# KiCad board panel.kicad_pcb (continued)
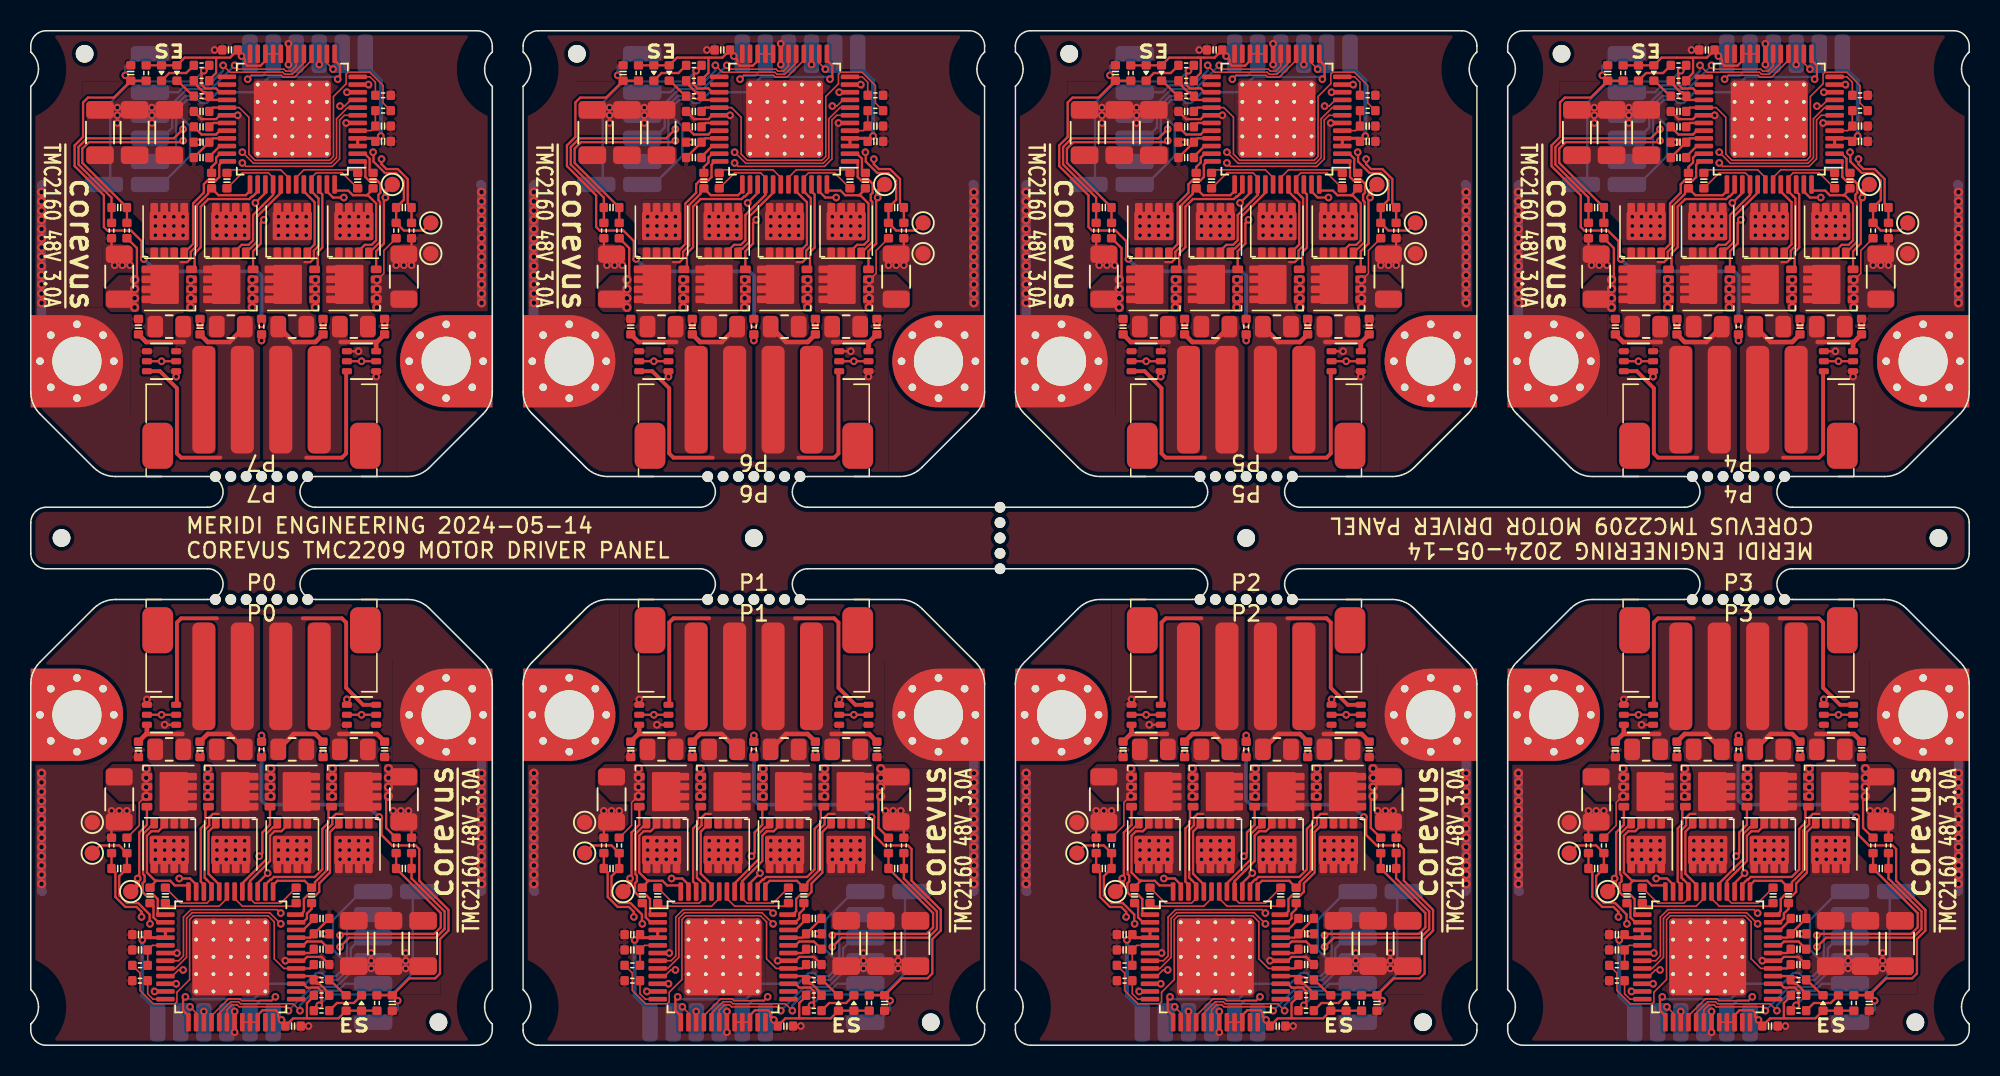
[diagram p0: board, top side]
## Routing (per net, layer and track width the routed paths; a pad name or vN(x,y) marks a point on that pad's centre or on a via; arc(x,y) is an arc through that point) (continued)
Board_2-/LB1: length 10.5
  Top w0.15: v1(70.95,10.85) 71.05,10.95 71.05,13.84 71.55,14.34 Q2#6.4 ; U1#3.47 74.75,10.45 74.35,10.85 v1(73.65,10.85)
  Top w0.3: TP3#2.1 70.95,10.45 v1(70.95,10.85)
  In2.Cu w0.15: v1(73.65,10.85) v1(70.95,10.85) 70.95,10.7
Board_2-/LB2: length 5.8
  Top w0.15: Q4.4 75.35,15.32 75.35,14.41 75.05,14.11 75.05,10.65 75.25,10.45 U1#3.46
Board_2-/SCK: length 2.3
  Top w0.1: v1(74.35,2.5) 74.75,2.1 U1#3.14
  Bottom w0.5: 73.8,2.5 v1(74.35,2.5) 73.95,2.1
Board_2-/SDI: length 0.7
  Top w0.15: U1#3.15 v1(75.25,2.2)
Board_2-/SDO: length 8
  Top w0.1: U1#3.16 75.75,1.92 76.85,3.02 77.59,3.02 77.72,2.9 79.65,2.9 v1(79.9,3.15)
  Bottom w0.15: v1(79.9,3.15) 79.68,2.92 78.93,2.92 78.25,2.25 T7#8.1
Board_2-/SRAH: length 27.9
  Top w0.1: v1(80.25,7.9) 79.53,8.62 74.49,8.62 74.12,8.26 74.12,5.72 73.4,5 U1#3.8
  Top w0.15: R11#2.2 C21#3.2 90.65,8.6 90.65,7.67 90.23,7.25 84.2,7.25 v1(84.1,7.15)
  In2.Cu w0.15: v1(84.1,7.15) 84.1,7.43 83.63,7.9 v1(80.25,7.9)
Board_2-/SRAL: length 29.5
  Top w0.1: U1#3.7 73.62,5.5 73.93,5.81 73.93,8.34 74.41,8.82 80.03,8.82 v1(80.25,8.6)
  Top w0.15: R12#2.2 C21#3.1 88.75,10.85 90.9,8.7 90.9,7.56 90.34,7 84.7,7 v1(84.1,6.4)
  In2.Cu w0.15: v1(80.25,8.6) 80.7,8.15 83.74,8.15 84.55,7.34 84.55,6.85 v1(84.1,6.4)
Board_2-/SRBH: length 14.4
  Top w0.1: U1#3.9 73.2,4.5 73.6,4.9 v1(73.9,4.9)
  Top w0.15: TP4#8.1 68.5,13 69.75,13 R8#8.2 C20#3.2 69.75,11 69.75,9.75 70.25,9.25 70.98,9.25 71.72,8.51 71.72,7.92 v1(71.75,7.9)
  In2.Cu w0.1: v1(71.75,7.9) 71.75,7.58 73.05,6.28 73.05,4.98 73.13,4.9 v1(73.9,4.9)
Board_2-/SRBL: length 11.4
  Top w0.1: v1(73.45,4) U1#3.10
  Top w0.15: v1(71.2,8.35) 71.2,8.68 70.88,9 70.15,9 69.5,9.65 69.5,11.25 C20#3.1 R9#6.2
  In2.Cu w0.1: v1(71.2,8.35) 71.2,7.85 72.85,6.2 72.85,4.9 73.45,4.3 v1(73.45,4)
Board_2-/Step: length 12.1
  Top w0.1: U1#3.17 76.25,2.08 76.99,2.82 77.51,2.82 77.63,2.7 81.05,2.7 v1(81.5,2.25)
  Bottom w0.15: T11#8.1 84.42,4 83.97,3.55 82.45,3.55 81.5,2.6 v1(81.5,2.25)
Board_2-/THERM: length 32.5
  Top w0.15: v1(87.85,2.9) C13#3.1 ; C13#3.1 88.6,4.35 90.28,4.35 90.6,4.67 90.6,6.91 91.15,7.46 91.15,8.81 89.25,10.71 89.25,12.77 89.02,13 87.48,13 86.8,13.68 86.8,14.7 v1(86.65,14.85) ; C13#3.1 R20#2.1
  Top w0.25: TH1#8.1 v1(79,19.1)
  Bottom w0.15: v1(87.85,2.9) 87.85,2.35 87,1.5 T9#7.1
  Bottom w0.25: v1(86.65,14.85) 85.85,15.65 79.3,15.65 79,15.95 v1(79,19.1)
Board_2-/~{CS}: length 19.8
  Top w0.15: v1(74.05,3.15) 73.9,3 73.9,2.26 74.16,2 74.25,2
  Bottom w0.15: T10#8.1 85.5,10 83.65,8.15 83.65,6.21 84.3,5.56 84.3,4.94 83.86,4.5 83.14,4.5 82.94,4.7 82.56,4.7 81.86,4 79.11,4 78.75,3.64 78.75,3.24 78.51,3 74.2,3 v1(74.05,3.15)
Board_2-/~{En}: length 10.3
  Top w0.15: R2#4.2 83.2,3.45 83.2,3.57 82.77,4 82.65,4 R1#6.2 v1(82.75,4.25) 82.5,4.5 U1#3.28
  Bottom w0.15: T14#5.1 85.45,8.5 84.55,7.6 84.55,4.84 83.96,4.25 v1(82.75,4.25)
Board_2-GND: length 30.1
  Top w0.1: U1#3.6 v1(73.5,6) ; C7#5.2 v1(83.05,7.25)
  Top w0.15: D3#8.4 v1(72.7,20.85) ; 88.75,13.52 88.75,14.04 R13#2.2 87.75,14.04 ; R10#3.2 69.25,14.04 R9#6.1 ; U1#3.19 v1(77.25,2.2) ; D4.1 v1(84.55,22.5) ; 83.38,5.25 C5#3.1 82.9,5.75 81.96,5.75 81.71,5.5 U1#3.30 v1(80.55,5.5) ; D3#8.1 v1(71.55,22.5) ; C3#6.1 v1(82.05,1.25)
  Top w0.2: U1#3.11 v1(72.05,3.5)
  Top w0.25: TH1#8.2 v1(79,20.15)
  Top w0.3: C19#6.1 v1(71,19.1) ; C18#7.1 v1(75,19.1) ; C17#4.1 v1(83,19.1)
  Bottom w0.6: 64.75,10 64.7,10.05 v2(64.7,10.5) v2(64.7,11.1) v2(64.7,17.7) ; H2#6.1 93.3,19.2 v2(93.3,17.7) v2(93.3,11.1) v2(93.3,10.5) 93.3,10.05 93.25,10
  vias: v1(69.25,15.25) v1(69.75,15.25) v1(70.25,15.25) v1(77.25,0.85) v1(86.12,6) v1(86.12,5.5) v1(86.12,5) v1(87.55,15.25) v1(88.05,15.25) v1(88.38,6) v1(88.38,5.5) v1(88.38,5) v1(88.55,15.25) v2(64.7,17.1) v2(64.7,16.5) v2(64.7,15.9) v2(64.7,15.3) v2(64.7,14.7) v2(64.7,14.1) v2(64.7,13.5) v2(64.7,12.9) v2(64.7,12.3) v2(64.7,11.7) v2(93.3,17.1) v2(93.3,16.5) v2(93.3,15.9) v2(93.3,15.3) v2(93.3,14.7) v2(93.3,14.1) v2(93.3,13.5) v2(93.3,12.9) v2(93.3,12.3) v2(93.3,11.7)
Board_2-Net-(D1-K): length 1.5
  Top w0.15: 84.45,3.25 83.45,4.25 R1#6.1
Board_2-Net-(D2-K): length 2.5
  Top w0.15: R16#3.1 83.9,2.75 85,2.75 D2#2.1
Board_2-Net-(Q2-S-Pad1): length 3.3
  Top w0.1: R8#8.1 71.05,14.3 71.05,15.78 71.44,16.17 Q2#6.3
  vias: v2(71.5,18) v2(71.5,17.4) v2(71.5,16.8) v2(71.5,16.2) v2(75.5,18) v2(75.5,17.4) v2(75.5,16.8) v2(75.5,16.2)
Board_2-Net-(Q6-S-Pad1): length 3
  Top w0.15: v2(87.25,16.2) 87.1,16.05 87.1,14.14 87.74,13.5
  vias: v2(79.6,18) v2(79.6,17.4) v2(79.6,16.8) v2(79.6,16.2) v2(83.6,18) v2(83.6,17.4) v2(83.6,16.8) v2(83.6,16.2) v2(87.25,18) v2(87.25,17.4) v2(87.25,16.8)
Board_2-Net-(U1-5VOUT): length 2.3
  Top w0.1: R4#3.1 C4#2.2 71.9,6.5 U1#3.5
Board_2-Net-(U1-CA1): length 4.7
  Top w0.1: U1#3.42 77.25,9.55 77.75,9.05 81.05,9.05 C10#8.1
Board_2-Net-(U1-CA2): length 1.9
  Top w0.15: C11#4.1 82.25,8.87 81.95,8.57 81.95,8.25 81.7,8 U1#3.35
Board_2-Net-(U1-CB1): length 1.9
  Top w0.15: C8#2.1 71.97,9.02 71.97,8.32 72.3,8 U1#3.2
Board_2-Net-(U1-CB2): length 4.7
  Top w0.1: C9#8.1 72.95,9.05 76.25,9.05 76.75,9.55 U1#3.43
Board_2-Net-(U1-CPI): length 2.5
  Top w0.15: C2#4.2 82.9,6.75 81.96,6.75 81.71,6.5 U1#3.32
Board_2-Net-(U1-CPO): length 1.3
  Top w0.15: C2#4.1 82.15,6 U1#3.31
Board_2-Net-(U1-VCC): length 21.4
  Top w0.1: U1#3.29 80.45,5 79.82,5.62 79.82,8.03 79.43,8.42 74.57,8.42 74.32,8.18 74.32,4.27 73.5,3.45 73.5,2.83 73.37,2.7 71.97,2.7 71.1,3.57 71.1,4.7 R4#3.2
  Top w0.15: U1#3.29 82.15,5 C5#3.2
Board_2-Net-(U1-VCP): length 1.5
  Top w0.15: U1#3.34 81.71,7.5 82.4,8.19 C1#4.1
Board_2-VCC: length 12.7
  Top w0.1: U1#3.22 U1#3.21 U1#3.20
  Top w0.15: 81.95,1.75 81.95,2.74 82.4,3.19 R2#4.1 ; U1#3.22 78.75,1.96 79.07,2.27 79.93,2.27 80.07,2.13 80.07,1.87 v1(80.3,1.65) 80.55,1.4 C3#6.2 81.05,1.75 84,1.75 D1#2.2 D2#2.2 R20#2.2
  Bottom w0.15: T8#5.1 79.9,1.65 v1(80.3,1.65)
Board_3-+12V: length 8
  Top w0.2: v1(103.25,6.85) C6.1 103.8,7 U1#2.4 U1#2.3
  Bottom w0.25: v1(103.25,6.85) 103.25,3.25 104.25,2.25 T3#3.1
Board_3-+48V: length 6.5
  Top w0.15: C1#7.2 C7#6.1 114.15,7 U1#2.33 ; D4#4.5 v1(117.5,21.5) D4#4.2 ; D3#3.2 v1(104.5,21.5) D3#3.5
  vias: v1(104.1,13.3) v1(104.1,12.7) v1(104.1,12.1) v1(104.7,13.3) v1(104.7,12.7) v1(104.7,12.1) v1(105.3,13.3) v1(105.3,12.7) v1(105.3,12.1) v1(105.9,13.3) v1(105.9,12.7) v1(105.9,12.1) v1(108.1,13.3) v1(108.1,12.7) v1(108.1,12.1) v1(108.7,13.3) v1(108.7,12.7) v1(108.7,12.1) v1(109.3,13.3) v1(109.3,12.7) v1(109.3,12.1) v1(109.9,13.3) v1(109.9,12.7) v1(109.9,12.1) v1(112.1,13.3) v1(112.1,12.7) v1(112.1,12.1) v1(112.7,13.3) v1(112.7,12.7) v1(112.7,12.1) v1(113.3,13.3) v1(113.3,12.7) v1(113.3,12.1) v1(113.9,13.3) v1(113.9,12.7) v1(113.9,12.1) v1(116.1,13.3) v1(116.1,12.7) v1(116.1,12.1) v1(116.7,13.3) v1(116.7,12.7) v1(116.7,12.1) v1(117.3,13.3) v1(117.3,12.7) v1(117.3,12.1) v1(117.9,13.3) v1(117.9,12.7) v1(117.9,12.1)
Board_3-/A1: length 9.7
  Top w0.1: C10#7.2 112.25,9.25 110.55,9.25 110.25,9.55 U1#2.40
  Top w0.15: Q5#4.3 112.68,14.31 112.29,13.92 111.84,13.92 111.55,13.64 111.55,11.99 110.95,11.39 110.95,11.38 110.25,10.68 U1#2.40
Board_3-/A1': length 13.1
  Top w0.25: D4#4.6 117.6,22.15 117.05,22.7 117.05,22.71 116.5,23.26 116.5,27.5 116.22,27.77 113.68,27.77
  Top w0.3: C17#7.2 114.5,20.25 113.09,20.25 FB2.1
Board_3-/A2: length 9.1
  Top w0.15: 116.25,15.05 115.83,15.05 115.6,14.82 115.6,14.38 115.2,13.98 115.2,11.34 114.47,10.61 114.47,10.47 C11#2.2 113.8,10.7 112.03,10.7 111.75,10.42 U1#2.37
Board_3-/A2': length 3.2
  Top w0.3: C16#7.2 118.5,20.25 116.05,20.25
Board_3-/B1: length 7.7
  Top w0.15: 104.2,10.7 105.06,10.7 105.36,10.4 106.25,10.4 ; 104.2,10.7 104.09,10.7 103.55,11.24 103.55,13.64 103.84,13.92 104.29,13.92 104.68,14.31 Q1#7.3 ; 104.2,10.7 104.15,10.7 103.75,10.3 C8#6.2
Board_3-/B1': length 3.7
  Top w0.3: C19#3.2 103.5,20.25 105.85,20.25 ; D3#3.3 103.55,20.25
Board_3-/B2: length 9.8
  Top w0.1: C9#7.2 105.75,9.25 107.45,9.25 107.75,9.55 U1#2.45
  Top w0.15: U1#2.45 107.75,10.45 107.43,10.77 107.43,10.77 107.3,10.9 107.3,14 107.6,14.3 107.6,14.81 107.84,15.05 108.2,15.05
Board_3-/B2': length 11.6
  Top w0.25: 108.1,27.77 105.78,27.77 105.5,27.5 105.5,22.2 D3#3.6
  Top w0.3: C18#2.2 107.5,20.25 108.91,20.25 FB3#6.1
Board_3-/Clk: length 2.1
  Top w0.1: R3#7.1 103.6,3.35 103.95,3 U1#2.12
Board_3-/Diag1: length 15.8
  Top w0.15: U1#2.27 113.71,4 113.96,3.75 114.67,3.75 114.9,3.52 114.9,2.75 v1(114.75,2.6) R16#2.2
  Bottom w0.15: T17#2.1 120.82,9.57 120.82,4.67 119.45,3.3 115.45,3.3 v1(114.75,2.6)
Board_3-/Dir: length 13.5
  Top w0.1: U1#2.18 108.75,2.3 109.07,2.62 109.43,2.62 109.55,2.5 112.5,2.5 v1(112.75,2.25)
  Bottom w0.15: v1(112.75,2.25) 114.3,3.8 115.86,3.8 116.8,4.74 116.8,6.3 117.5,7 T13.1
Board_3-/HA1: length 5.2
  Top w0.15: 111.94,14.17 111.74,14.17 111.3,13.74 111.3,12.09 110.7,11.49 110.7,11.49 109.75,10.54 U1#2.41
Board_3-/HA2: length 7.6
  Top w0.15: Q7#6.4 115.45,13.87 115.45,11.23 114.75,10.53 114.75,9.98 114.52,9.75 113.98,9.75 113.75,9.52 113.75,8.72 113.53,8.5 U1#2.36
Board_3-/HB1: length 7.1
  Top w0.15: 104.25,8.5 104.25,9.51 104.01,9.75 103.49,9.75 103.28,9.96 103.28,10.54 103.4,10.66 103.4,11.03 103.3,11.13 103.3,13.74 104.01,14.45 Q1#7.4
Board_3-/HB2: length 4.8
  Top w0.15: 108,14.35 107.55,13.9 107.55,11.15 108.25,10.45 U1#2.44
Board_3-/LA1: length 6.3
  Top w0.15: U1#2.39 110.75,10.55 v1(111.4,11.2) ; Q6#2.4 111.55,14.34 111.05,13.84 111.05,12.5 v1(110.85,12.3)
  In2.Cu w0.15: v1(111.4,11.2) 111.4,11.75 v1(110.85,12.3)
Board_3-/LA2: length 8.9
  Top w0.15: Q8#6.4 115.35,15.32 115.35,14.48 114.95,14.08 114.95,11.44 114.46,10.95 111.8,10.95 111.62,10.77 111.57,10.77 111.43,10.63 111.43,10.63 111.25,10.45 U1#2.38
Board_3-/LB1: length 10.5
  Top w0.15: U1#2.47 106.75,10.45 106.35,10.85 v1(105.65,10.85) ; v1(102.95,10.85) 103.05,10.95 103.05,13.84 103.55,14.34 Q2#2.4
  Top w0.3: v1(102.95,10.85) 102.95,10.45 TP3#3.1
  In2.Cu w0.15: 102.95,10.7 v1(102.95,10.85) v1(105.65,10.85)
Board_3-/LB2: length 5.8
  Top w0.15: U1#2.46 107.25,10.45 107.05,10.65 107.05,14.11 107.35,14.41 107.35,15.32 Q4#3.4
Board_3-/SCK: length 2.3
  Top w0.1: U1#2.14 106.75,2.1 v1(106.35,2.5)
  Bottom w0.5: 105.8,2.5 v1(106.35,2.5) 105.95,2.1
Board_3-/SDI: length 0.7
  Top w0.15: U1#2.15 v1(107.25,2.2)
Board_3-/SDO: length 8
  Top w0.1: U1#2.16 107.75,1.92 108.85,3.02 109.59,3.02 109.72,2.9 111.65,2.9 v1(111.9,3.15)
  Bottom w0.15: v1(111.9,3.15) 111.68,2.92 110.93,2.92 110.25,2.25 T7#5.1
Board_3-/SRAH: length 27.9
  Top w0.1: U1#2.8 105.4,5 106.12,5.72 106.12,8.26 106.49,8.62 111.53,8.62 v1(112.25,7.9)
  Top w0.15: R11#3.2 C21#6.2 122.65,8.6 122.65,7.67 122.23,7.25 116.2,7.25 v1(116.1,7.15)
  In2.Cu w0.15: v1(116.1,7.15) 116.1,7.43 115.63,7.9 v1(112.25,7.9)
Board_3-/SRAL: length 29.5
  Top w0.1: v1(112.25,8.6) 112.03,8.82 106.41,8.82 105.93,8.34 105.93,5.81 105.62,5.5 U1#2.7
  Top w0.15: R12#8.2 C21#6.1 120.75,10.85 122.9,8.7 122.9,7.56 122.34,7 116.7,7 v1(116.1,6.4)
  In2.Cu w0.15: v1(112.25,8.6) 112.7,8.15 115.74,8.15 116.55,7.34 116.55,6.85 v1(116.1,6.4)
Board_3-/SRBH: length 14.4
  Top w0.1: v1(105.9,4.9) 105.6,4.9 105.2,4.5 U1#2.9
  Top w0.15: TP4#2.1 100.5,13 101.75,13 R8#4.2 C20#4.2 101.75,11 101.75,9.75 102.25,9.25 102.98,9.25 103.72,8.51 103.72,7.92 v1(103.75,7.9)
  In2.Cu w0.1: v1(103.75,7.9) 103.75,7.58 105.05,6.28 105.05,4.98 105.13,4.9 v1(105.9,4.9)
Board_3-/SRBL: length 11.4
  Top w0.1: v1(105.45,4) U1#2.10
  Top w0.15: v1(103.2,8.35) 103.2,8.68 102.88,9 102.15,9 101.5,9.65 101.5,11.25 C20#4.1 R9#8.2
  In2.Cu w0.1: v1(103.2,8.35) 103.2,7.85 104.85,6.2 104.85,4.9 105.45,4.3 v1(105.45,4)
Board_3-/Step: length 12.1
  Top w0.1: v1(113.5,2.25) 113.05,2.7 109.63,2.7 109.51,2.82 108.99,2.82 108.25,2.08 U1#2.17
  Bottom w0.15: T11#4.1 116.42,4 115.97,3.55 114.45,3.55 113.5,2.6 v1(113.5,2.25)
Board_3-/THERM: length 32.5
  Top w0.15: v1(118.65,14.85) 118.8,14.7 118.8,13.68 119.48,13 121.02,13 121.25,12.77 121.25,10.71 123.15,8.81 123.15,7.46 122.6,6.91 122.6,4.67 122.28,4.35 120.6,4.35 C13#4.1 ; v1(119.85,2.9) C13#4.1 ; C13#4.1 R20#8.1
  Top w0.25: TH1.1 v1(111,19.1)
  Bottom w0.15: T9.1 119,1.5 119.85,2.35 v1(119.85,2.9)
  Bottom w0.25: v1(118.65,14.85) 117.85,15.65 111.3,15.65 111,15.95 v1(111,19.1)
Board_3-/~{CS}: length 19.8
  Top w0.15: v1(106.05,3.15) 105.9,3 105.9,2.26 106.16,2 106.25,2
  Bottom w0.15: T10#7.1 117.5,10 115.65,8.15 115.65,6.21 116.3,5.56 116.3,4.94 115.86,4.5 115.14,4.5 114.94,4.7 114.56,4.7 113.86,4 111.11,4 110.75,3.64 110.75,3.24 110.51,3 106.2,3 v1(106.05,3.15)
Board_3-/~{En}: length 10.3
  Top w0.15: R2#3.2 115.2,3.45 115.2,3.57 114.77,4 114.65,4 R1#5.2 v1(114.75,4.25) 114.5,4.5 U1#2.28
  Bottom w0.15: v1(114.75,4.25) 115.96,4.25 116.55,4.84 116.55,7.6 117.45,8.5 T14#8.1
Board_3-GND: length 30.1
  Top w0.1: C7#6.2 v1(115.05,7.25) ; U1#2.6 v1(105.5,6)
  Top w0.15: v1(112.55,5.5) U1#2.30 113.71,5.5 113.96,5.75 114.9,5.75 C5#8.1 115.38,5.25 ; D4#4.1 v1(116.55,22.5) ; D3#3.1 v1(103.55,22.5) ; D3#3.4 v1(104.7,20.85) ; U1#2.19 v1(109.25,2.2) ; R9#8.1 101.25,14.04 R10#6.2 ; 120.75,13.52 120.75,14.04 R13#7.2 119.75,14.04 ; C3#8.1 v1(114.05,1.25)
  Top w0.2: U1#2.11 v1(104.05,3.5)
  Top w0.25: TH1.2 v1(111,20.15)
  Top w0.3: C17#7.1 v1(115,19.1) ; C19#3.1 v1(103,19.1) ; C18#2.1 v1(107,19.1)
  Bottom w0.6: 96.75,10 96.7,10.05 v2(96.7,10.5) v2(96.7,11.1) v2(96.7,17.7) ; H2#2.1 125.3,19.2 v2(125.3,17.7) v2(125.3,11.1) v2(125.3,10.5) 125.3,10.05 125.25,10
  vias: v1(101.25,15.25) v1(101.75,15.25) v1(102.25,15.25) v1(109.25,0.85) v1(118.12,6) v1(118.12,5.5) v1(118.12,5) v1(119.55,15.25) v1(120.05,15.25) v1(120.38,6) v1(120.38,5.5) v1(120.38,5) v1(120.55,15.25) v2(96.7,17.1) v2(96.7,16.5) v2(96.7,15.9) v2(96.7,15.3) v2(96.7,14.7) v2(96.7,14.1) v2(96.7,13.5) v2(96.7,12.9) v2(96.7,12.3) v2(96.7,11.7) v2(125.3,17.1) v2(125.3,16.5) v2(125.3,15.9) v2(125.3,15.3) v2(125.3,14.7) v2(125.3,14.1) v2(125.3,13.5) v2(125.3,12.9) v2(125.3,12.3) v2(125.3,11.7)
Board_3-Net-(D1-K): length 1.5
  Top w0.15: R1#5.1 115.45,4.25 116.45,3.25
Board_3-Net-(D2-K): length 2.5
  Top w0.15: D2#3.1 117,2.75 115.9,2.75 R16#2.1
Board_3-Net-(Q2-S-Pad1): length 3.3
  Top w0.1: R8#4.1 103.05,14.3 103.05,15.78 103.44,16.17 Q2#2.3
  vias: v2(103.5,18) v2(103.5,17.4) v2(103.5,16.8) v2(103.5,16.2) v2(107.5,18) v2(107.5,17.4) v2(107.5,16.8) v2(107.5,16.2)
Board_3-Net-(Q6-S-Pad1): length 3
  Top w0.15: 119.74,13.5 119.1,14.14 119.1,16.05 v2(119.25,16.2)
  vias: v2(111.6,18) v2(111.6,17.4) v2(111.6,16.8) v2(111.6,16.2) v2(115.6,18) v2(115.6,17.4) v2(115.6,16.8) v2(115.6,16.2) v2(119.25,18) v2(119.25,17.4) v2(119.25,16.8)
Board_3-Net-(U1-5VOUT): length 2.3
  Top w0.1: U1#2.5 103.9,6.5 C4#4.2 R4#2.1
Board_3-Net-(U1-CA1): length 4.7
  Top w0.1: U1#2.42 109.25,9.55 109.75,9.05 113.05,9.05 C10#7.1
Board_3-Net-(U1-CA2): length 1.9
  Top w0.15: U1#2.35 113.7,8 113.95,8.25 113.95,8.57 114.25,8.87 C11#2.1
Board_3-Net-(U1-CB1): length 1.9
  Top w0.15: U1#2.2 104.3,8 103.97,8.32 103.97,9.02 C8#6.1
Board_3-Net-(U1-CB2): length 4.7
  Top w0.1: C9#7.1 104.95,9.05 108.25,9.05 108.75,9.55 U1#2.43
Board_3-Net-(U1-CPI): length 2.5
  Top w0.15: C2#8.2 114.9,6.75 113.96,6.75 113.71,6.5 U1#2.32
Board_3-Net-(U1-CPO): length 1.3
  Top w0.15: U1#2.31 114.15,6 C2#8.1
Board_3-Net-(U1-VCC): length 21.4
  Top w0.1: R4#2.2 103.1,4.7 103.1,3.57 103.97,2.7 105.37,2.7 105.5,2.83 105.5,3.45 106.32,4.27 106.32,8.18 106.57,8.42 111.43,8.42 111.82,8.03 111.82,5.62 112.45,5 U1#2.29
  Top w0.15: C5#8.2 114.15,5 U1#2.29
Board_3-Net-(U1-VCP): length 1.5
  Top w0.15: C1#7.1 114.4,8.19 113.71,7.5 U1#2.34
Board_3-VCC: length 12.7
  Top w0.1: U1#2.20 U1#2.21 U1#2.22
  Top w0.15: U1#2.22 110.75,1.96 111.07,2.27 111.93,2.27 112.07,2.13 112.07,1.87 v1(112.3,1.65) 112.55,1.4 C3#8.2 113.05,1.75 116,1.75 D1#3.2 D2#3.2 R20#8.2 ; 113.95,1.75 113.95,2.74 114.4,3.19 R2#3.1
  Bottom w0.15: v1(112.3,1.65) 111.9,1.65 T8#7.1
Board_4-+12V: length 8
  Top w0.2: v1(118.75,59.15) C6#3.1 118.2,59 U1#5.4 U1#5.3
  Bottom w0.25: v1(118.75,59.15) 118.75,62.75 117.75,63.75 T3#5.1
Board_4-+48V: length 6.5
  Top w0.15: D3#2.2 v1(117.5,44.5) D3#2.5 ; D4#8.2 v1(104.5,44.5) D4#8.5 ; U1#5.33 107.85,59 C7#4.1 C1#5.2
  vias: v1(104.1,53.9) v1(104.1,53.3) v1(104.1,52.7) v1(104.7,53.9) v1(104.7,53.3) v1(104.7,52.7) v1(105.3,53.9) v1(105.3,53.3) v1(105.3,52.7) v1(105.9,53.9) v1(105.9,53.3) v1(105.9,52.7) v1(108.1,53.9) v1(108.1,53.3) v1(108.1,52.7) v1(108.7,53.9) v1(108.7,53.3) v1(108.7,52.7) v1(109.3,53.9) v1(109.3,53.3) v1(109.3,52.7) v1(109.9,53.9) v1(109.9,53.3) v1(109.9,52.7) v1(112.1,53.9) v1(112.1,53.3) v1(112.1,52.7) v1(112.7,53.9) v1(112.7,53.3) v1(112.7,52.7) v1(113.3,53.9) v1(113.3,53.3) v1(113.3,52.7) v1(113.9,53.9) v1(113.9,53.3) v1(113.9,52.7) v1(116.1,53.9) v1(116.1,53.3) v1(116.1,52.7) v1(116.7,53.9) v1(116.7,53.3) v1(116.7,52.7) v1(117.3,53.9) v1(117.3,53.3) v1(117.3,52.7) v1(117.9,53.9) v1(117.9,53.3) v1(117.9,52.7)
Board_4-/A1: length 9.7
  Top w0.1: C10#2.2 109.75,56.75 111.45,56.75 111.75,56.45 U1#5.40
  Top w0.15: U1#5.40 111.75,55.32 111.05,54.62 111.05,54.61 110.45,54.01 110.45,52.36 110.16,52.08 109.71,52.07 109.32,51.69 Q5#7.3
Board_4-/A1': length 13.1
  Top w0.25: 108.32,38.23 105.78,38.23 105.5,38.5 105.5,42.74 104.95,43.29 104.95,43.3 104.4,43.85 D4#8.6
  Top w0.3: FB2#8.1 108.91,45.75 107.5,45.75 C17#5.2
Board_4-/A2: length 9.1
  Top w0.15: 105.75,50.95 106.17,50.95 106.4,51.18 106.4,51.62 106.8,52.02 106.8,54.66 107.53,55.39 107.53,55.52 C11#5.2 108.2,55.3 109.97,55.3 110.25,55.58 U1#5.37
Board_4-/A2': length 3.2
  Top w0.3: 105.95,45.75 103.5,45.75 C16#6.2
Board_4-/B1: length 7.7
  Top w0.15: 117.8,55.3 117.91,55.3 118.45,54.76 118.45,52.36 118.16,52.07 117.71,52.08 117.32,51.69 Q1#3.3 ; 117.8,55.3 117.85,55.3 118.25,55.7 C8#5.2 ; 117.8,55.3 116.94,55.3 116.64,55.6 115.75,55.6
Board_4-/B1': length 3.7
  Top w0.3: D3#2.3 118.45,45.75 ; C19#7.2 118.5,45.75 116.15,45.75
Board_4-/B2: length 9.8
  Top w0.1: C9#6.2 116.25,56.75 114.55,56.75 114.25,56.45 U1#5.45
  Top w0.15: 113.8,50.95 114.16,50.95 114.4,51.19 114.4,51.7 114.7,52 114.7,55.1 114.57,55.23 114.57,55.23 114.25,55.55 U1#5.45
Board_4-/B2': length 11.6
  Top w0.25: D3#2.6 116.5,43.8 116.5,38.5 116.22,38.22 113.9,38.23
  Top w0.3: C18#4.2 114.5,45.75 113.09,45.75 FB3#4.1
Board_4-/Clk: length 2.1
  Top w0.1: U1#5.12 118.05,63 118.4,62.65 R3#6.1
Board_4-/Diag1: length 15.8
  Top w0.15: U1#5.27 108.29,62 108.04,62.25 107.33,62.25 107.1,62.48 107.1,63.25 v1(107.25,63.4) R16#7.2
  Bottom w0.15: T17#8.1 101.18,56.42 101.18,61.33 102.55,62.7 106.55,62.7 v1(107.25,63.4)
Board_4-/Dir: length 13.5
  Top w0.1: v1(109.25,63.75) 109.5,63.5 112.45,63.5 112.57,63.38 112.93,63.38 113.25,63.7 U1#5.18
  Bottom w0.15: v1(109.25,63.75) 107.7,62.2 106.14,62.2 105.2,61.26 105.2,59.7 104.5,59 T13#2.1
Board_4-/HA1: length 5.2
  Top w0.15: 110.06,51.83 110.26,51.83 110.7,52.26 110.7,53.91 111.3,54.51 111.3,54.51 112.25,55.46 U1#5.41
Board_4-/HA2: length 7.6
  Top w0.15: U1#5.36 108.47,57.5 108.25,57.28 108.25,56.48 108.02,56.25 107.48,56.25 107.25,56.02 107.25,55.47 106.55,54.77 106.55,52.12 Q7#5.4
Board_4-/HB1: length 7.1
  Top w0.15: Q1#3.4 117.99,51.55 118.7,52.26 118.7,54.87 118.6,54.97 118.6,55.34 118.72,55.46 118.72,56.04 118.51,56.25 117.99,56.25 117.75,56.49 117.75,57.5
Board_4-/HB2: length 4.8
  Top w0.15: U1#5.44 113.75,55.55 114.45,54.85 114.45,52.1 114,51.65
Board_4-/LA1: length 6.3
  Top w0.15: U1#5.39 111.25,55.45 v1(110.6,54.8) ; v1(111.15,53.7) 110.95,53.5 110.95,52.16 110.45,51.66 Q6#3.4
  In2.Cu w0.15: v1(111.15,53.7) 110.6,54.25 v1(110.6,54.8)
Board_4-/LA2: length 8.9
  Top w0.15: U1#5.38 110.75,55.55 110.57,55.37 110.57,55.37 110.43,55.23 110.38,55.23 110.2,55.05 107.54,55.05 107.05,54.56 107.05,51.92 106.65,51.52 106.65,50.67 Q8#2.4
Board_4-/LB1: length 10.5
  Top w0.15: Q2#7.4 118.45,51.66 118.95,52.16 118.95,55.05 v1(119.05,55.15) ; U1#5.47 115.25,55.55 115.65,55.15 v1(116.35,55.15)
  Top w0.3: TP3#7.1 119.05,55.55 v1(119.05,55.15)
  In2.Cu w0.15: v1(116.35,55.15) v1(119.05,55.15) 119.05,55.3
Board_4-/LB2: length 5.8
  Top w0.15: U1#5.46 114.75,55.55 114.95,55.35 114.95,51.89 114.65,51.59 114.65,50.67 Q4#5.4
Board_4-/SCK: length 2.3
  Top w0.1: U1#5.14 115.25,63.9 v1(115.65,63.5)
  Bottom w0.5: 116.05,63.9 v1(115.65,63.5) 116.2,63.5
Board_4-/SDI: length 0.7
  Top w0.15: U1#5.15 v1(114.75,63.8)
Board_4-/SDO: length 8
  Top w0.1: v1(110.1,62.85) 110.35,63.1 112.28,63.1 112.41,62.98 113.15,62.98 114.25,64.08 U1#5.16
  Bottom w0.15: v1(110.1,62.85) 110.32,63.08 111.07,63.08 111.75,63.75 T7#2.1
Board_4-/SRAH: length 27.9
  Top w0.1: v1(109.75,58.1) 110.47,57.38 115.51,57.38 115.88,57.74 115.88,60.27 116.6,61 U1#5.8
  Top w0.15: R11#8.2 C21.2 99.35,57.4 99.35,58.33 99.77,58.75 105.8,58.75 v1(105.9,58.85)
  In2.Cu w0.15: v1(105.9,58.85) 105.9,58.57 106.37,58.1 v1(109.75,58.1)
Board_4-/SRAL: length 29.5
  Top w0.1: U1#5.7 116.38,60.5 116.07,60.19 116.07,57.66 115.59,57.17 109.97,57.17 v1(109.75,57.4)
  Top w0.15: R12#5.2 C21.1 101.25,55.15 99.1,57.3 99.1,58.44 99.66,59 105.3,59 v1(105.9,59.6)
  In2.Cu w0.15: v1(109.75,57.4) 109.3,57.85 106.26,57.85 105.45,58.66 105.45,59.15 v1(105.9,59.6)
Board_4-/SRBH: length 14.4
  Top w0.1: v1(116.1,61.1) 116.4,61.1 116.8,61.5 U1#5.9
  Top w0.15: v1(118.25,58.1) 118.28,58.08 118.27,57.49 119.02,56.75 119.75,56.75 120.25,56.25 120.25,55 C20.2 R8#5.2 120.25,53 121.5,53 TP4#3.1
  In2.Cu w0.1: v1(116.1,61.1) 116.87,61.1 116.95,61.02 116.95,59.72 118.25,58.42 v1(118.25,58.1)
Board_4-/SRBL: length 11.4
  Top w0.1: v1(116.55,62) U1#5.10
  Top w0.15: v1(118.8,57.65) 118.8,57.32 119.12,57 119.85,57 120.5,56.35 120.5,54.75 C20.1 R9.2
  In2.Cu w0.1: v1(118.8,57.65) 118.8,58.15 117.15,59.8 117.15,61.1 116.55,61.7 v1(116.55,62)
Board_4-/Step: length 12.1
  Top w0.1: v1(108.5,63.75) 108.95,63.3 112.37,63.3 112.49,63.18 113.01,63.17 113.75,63.92 U1#5.17
  Bottom w0.15: T11#6.1 105.58,62 106.03,62.45 107.55,62.45 108.5,63.4 v1(108.5,63.75)
Board_4-/THERM: length 32.5
  Top w0.15: C13#6.1 R20#6.1 ; C13#6.1 101.4,61.65 99.72,61.65 99.4,61.33 99.4,59.09 98.85,58.54 98.85,57.19 100.75,55.29 100.75,53.23 100.98,53 102.52,53 103.2,52.32 103.2,51.3 v1(103.35,51.15) ; C13#6.1 v1(102.15,63.1)
  Top w0.25: TH1#4.1 v1(111,46.9)
  Bottom w0.15: v1(102.15,63.1) 102.15,63.65 103,64.5 T9#4.1
  Bottom w0.25: v1(111,46.9) 111,50.05 110.7,50.35 104.15,50.35 v1(103.35,51.15)
Board_4-/~{CS}: length 19.8
  Top w0.15: 115.75,64 115.84,64 116.1,63.74 116.1,63 v1(115.95,62.85)
  Bottom w0.15: T10#2.1 104.5,56 106.35,57.85 106.35,59.79 105.7,60.44 105.7,61.06 106.14,61.5 106.86,61.5 107.06,61.3 107.44,61.3 108.14,62 110.89,62 111.25,62.36 111.25,62.76 111.49,63 115.8,63 v1(115.95,62.85)
Board_4-/~{En}: length 10.3
  Top w0.15: R2#5.2 106.8,62.55 106.8,62.43 107.23,62 107.35,62 R1#2.2 v1(107.25,61.75) 107.5,61.5 U1#5.28
  Bottom w0.15: T14.1 104.55,57.5 105.45,58.4 105.45,61.16 106.04,61.75 v1(107.25,61.75)
Board_4-GND: length 30.1
  Top w0.1: C7#4.2 v1(106.95,58.75) ; U1#5.6 v1(116.5,60)
  Top w0.15: D4#8.1 v1(105.45,43.5) ; D3#2.1 v1(118.45,43.5) ; U1#5.19 v1(112.75,63.8) ; R9.1 120.75,51.96 R10#2.2 ; D3#2.4 v1(117.3,45.15) ; 101.25,52.48 101.25,51.96 R13#8.2 102.25,51.96 ; 106.62,60.75 C5#7.1 107.1,60.25 108.04,60.25 108.29,60.5 U1#5.30 v1(109.45,60.5) ; C3#2.1 v1(107.95,64.75)
  Top w0.2: U1#5.11 v1(117.95,62.5)
  Top w0.25: TH1#4.2 v1(111,45.85)
  Top w0.3: C18#4.1 v1(115,46.9) ; C17#5.1 v1(107,46.9) ; C19#7.1 v1(119,46.9)
  Bottom w0.6: 96.75,56 96.7,55.95 v2(96.7,55.5) v2(96.7,54.9) v2(96.7,48.3) 96.7,46.8 H2#3.1 ; v2(125.3,48.3) v2(125.3,54.9) v2(125.3,55.5) 125.3,55.95 125.25,56
  vias: v1(101.45,50.75) v1(101.62,61) v1(101.62,60.5) v1(101.62,60) v1(101.95,50.75) v1(102.45,50.75) v1(103.88,61) v1(103.88,60.5) v1(103.88,60) v1(112.75,65.15) v1(119.75,50.75) v1(120.25,50.75) v1(120.75,50.75) v2(96.7,54.3) v2(96.7,53.7) v2(96.7,53.1) v2(96.7,52.5) v2(96.7,51.9) v2(96.7,51.3) v2(96.7,50.7) v2(96.7,50.1) v2(96.7,49.5) v2(96.7,48.9) v2(125.3,54.3) v2(125.3,53.7) v2(125.3,53.1) v2(125.3,52.5) v2(125.3,51.9) v2(125.3,51.3) v2(125.3,50.7) v2(125.3,50.1) v2(125.3,49.5) v2(125.3,48.9)
Board_4-Net-(D1-K): length 1.5
  Top w0.15: R1#2.1 106.55,61.75 105.55,62.75
Board_4-Net-(D2-K): length 2.5
  Top w0.15: D2.1 105,63.25 106.1,63.25 R16#7.1
Board_4-Net-(Q2-S-Pad1): length 3.3
  Top w0.1: Q2#7.3 118.56,49.83 118.95,50.22 118.95,51.7 R8#5.1
  vias: v2(114.5,49.8) v2(114.5,49.2) v2(114.5,48.6) v2(114.5,48) v2(118.5,49.8) v2(118.5,49.2) v2(118.5,48.6) v2(118.5,48)
Board_4-Net-(Q6-S-Pad1): length 3
  Top w0.15: 102.26,52.5 102.9,51.86 102.9,49.95 v2(102.75,49.8)
  vias: v2(102.75,49.2) v2(102.75,48.6) v2(102.75,48) v2(106.4,49.8) v2(106.4,49.2) v2(106.4,48.6) v2(106.4,48) v2(110.4,49.8) v2(110.4,49.2) v2(110.4,48.6) v2(110.4,48)
Board_4-Net-(U1-5VOUT): length 2.3
  Top w0.1: U1#5.5 118.1,59.5 C4#8.2 R4#7.1
Board_4-Net-(U1-CA1): length 4.7
  Top w0.1: C10#2.1 108.95,56.95 112.25,56.95 112.75,56.45 U1#5.42
Board_4-Net-(U1-CA2): length 1.9
  Top w0.15: U1#5.35 108.3,58 108.05,57.75 108.05,57.43 107.75,57.13 C11#5.1
Board_4-Net-(U1-CB1): length 1.9
  Top w0.15: C8#5.1 118.03,56.98 118.03,57.68 117.7,58 U1#5.2
